# Allegro board ZC7020-PCB.brd (continued)
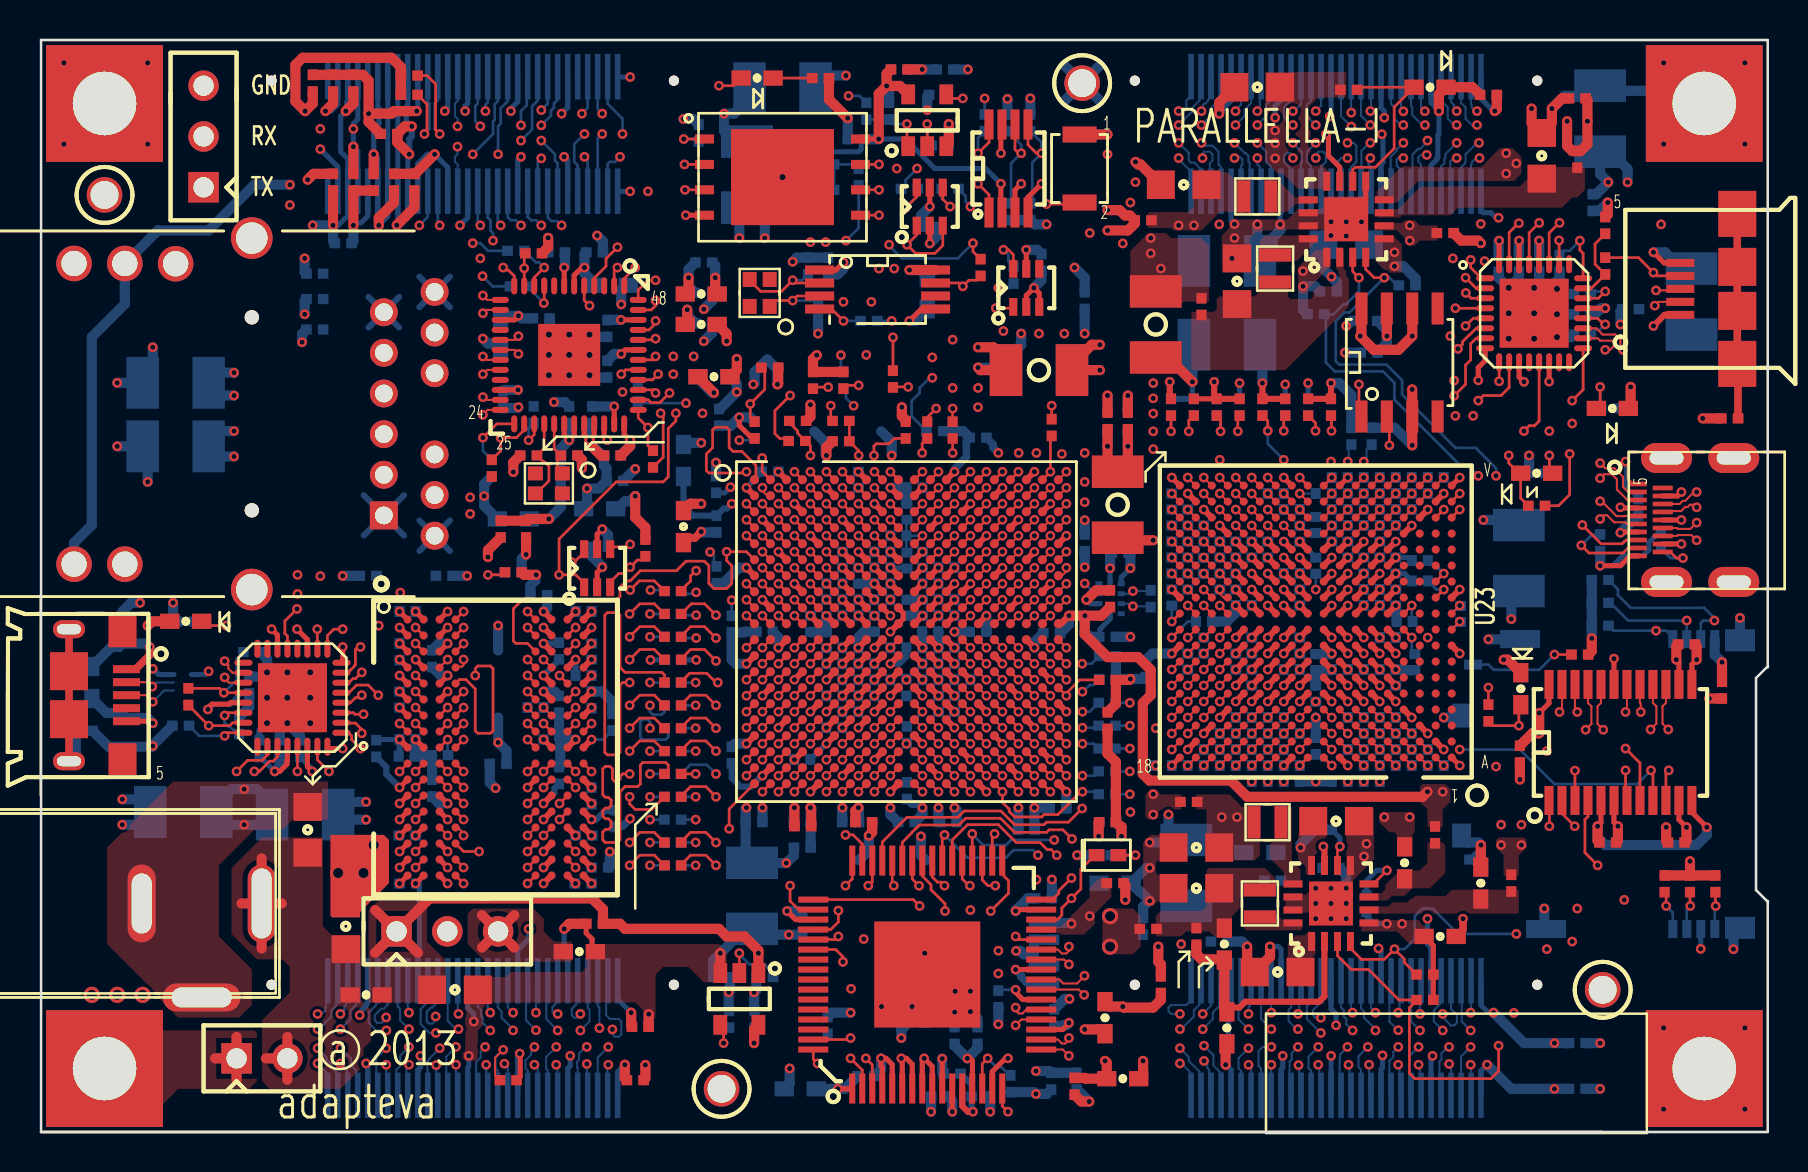
[diagram p0: board, top side]
## Routing (per net, layer and track width the routed paths; a pad name or vN(x,y) marks a point on that pad's centre or on a via; arc(x,y) is an arc through that point) (continued)
  BOTTOM w0.102: v1(70.86,51.05) 70.72,51.19 70.72,51.36 70.57,51.51 J9.8
RXI_SO_DATA3_P: length 25.5
  TOP w0.102: U23.R5 v1(67.81,30.33)
  L10_SIG w0.095: v1(67.81,30.33) 67.91,30.43 68.1,30.43 68.39,30.72 68.75,30.72 69,30.97 69,31.27 69.26,31.54 69.57,31.54 69.8,31.77 69.8,33.54 70.16,33.9 70.16,39.63 70.15,39.64 70.15,39.96 70.16,39.97 70.16,50.16 70.41,50.42 70.79,50.42 v1(70.86,50.36)
  BOTTOM w0.102: J9.10 70.07,51.58 70.41,51.24 70.41,50.67 70.73,50.36 v1(70.86,50.36)
RXI_SO_DATA4_N: length 24.9
  TOP w0.102: U23.V5 v1(67.81,32.73)
  L3_SIG w0.095: v1(69.36,48.86) 69.44,48.95 69.78,48.95 69.9,48.82 69.9,46.66 69.09,45.85 69.09,44.2 68.46,43.56 68.46,42.72 67.94,42.2 67.94,39.03 68.21,38.76 68.87,38.76 68.96,38.66 68.96,38.28 68.87,38.19 68.21,38.19 67.94,37.91 67.94,36.34 68.21,36.07 68.92,36.07 69.01,35.97 69.01,35.59 68.92,35.5 68.21,35.5 67.94,35.22 67.94,33.82 68.25,33.51 68.25,32.92 68.22,32.89 68.22,32.45 68.1,32.33 67.94,32.33 67.82,32.45 67.82,32.72 v1(67.81,32.73)
  BOTTOM w0.102: J9.13 69.07,48.39 68.95,48.51 68.95,48.75 69.06,48.86 v1(69.36,48.86)
RXI_SO_DATA4_P: length 25.1
  TOP w0.102: U23.V4 v1(68.61,32.73)
  L3_SIG w0.095: v1(69.4,49.58) 69.73,49.25 69.9,49.25 70.21,48.95 70.21,46.53 69.4,45.72 69.4,44.07 68.76,43.43 68.76,42.6 68.24,42.08 68.24,39.16 68.34,39.06 68.99,39.06 69.27,38.79 69.27,38.16 68.99,37.88 68.34,37.88 68.24,37.79 68.24,36.47 68.34,36.37 69.05,36.37 69.32,36.1 69.32,35.47 69.05,35.19 68.34,35.19 68.24,35.1 68.24,33.95 68.56,33.64 68.56,32.75 68.58,32.73 v1(68.61,32.73)
  BOTTOM w0.102: J9.15 68.64,47.11 68.64,48.88 68.93,49.17 69.03,49.17 69.4,49.53 v1(69.4,49.58)
RXI_SO_DATA5_N: length 24.5
  TOP w0.102: U23.U6 v1(67.01,31.93)
  L10_SIG w0.095: v1(69.26,51.05) 69.24,51.05 68.58,50.39 68.58,47.63 68.96,47.24 68.96,44.32 68.25,43.61 68.25,40.8 67.88,40.43 67.88,36.25 68.19,35.95 68.84,35.95 68.94,35.85 68.94,35.47 68.84,35.37 68.15,35.37 67.88,35.1 67.88,33.89 67.69,33.71 67.69,33.17 67.4,32.87 67.4,32.32 v1(67.01,31.93)
  BOTTOM w0.102: J9.14 69.07,51.12 69.14,51.05 69.26,51.05 v1(69.26,51.05)
RXI_SO_DATA5_P: length 24.8
  TOP w0.102: U23.U5 v1(67.81,31.93)
  L10_SIG w0.095: v1(69.27,50.36) 69.01,50.36 68.89,50.23 68.89,47.75 69.27,47.37 69.27,44.2 68.56,43.49 68.56,40.68 68.19,40.31 68.19,36.38 68.31,36.25 68.97,36.25 69.24,35.98 69.24,35.34 68.97,35.07 68.28,35.07 68.19,34.97 68.19,33.72 68,33.53 68,33.22 68.2,33.02 68.2,32.05 68.07,31.93 v1(67.81,31.93)
  BOTTOM w0.102: J9.16 68.57,51.3 68.63,51.24 68.63,50.86 69.14,50.36 v1(69.27,50.36)
RXI_SO_DATA6_N: length 25.4
  TOP w0.102: U23.T7 v1(66.21,31.13)
  L8_SIG w0.095: v1(66.21,31.13) 66.21,30.83 66.09,30.71 65.92,30.71 65.8,30.83 65.8,33.76 66.04,34 66.04,36.58 66.47,37.01 66.47,45.09 66.6,45.21 66.6,45.97 66.47,46.1 66.22,46.1 65.92,46.41 65.92,47.62 66.22,47.93 68.27,47.93 68.64,48.29 68.64,48.9 68.51,49.02 68.32,49.02 68.19,48.9 v1(68.19,48.7)
  BOTTOM w0.102: J9.17 68.07,48.11 67.92,48.27 67.86,48.33 67.86,48.64 67.99,48.77 68.13,48.77 v1(68.19,48.7)
RXI_SO_DATA6_P: length 25.4
  TOP w0.102: U23.T6 v1(67.01,31.13)
  L8_SIG w0.095: v1(68.19,49.47) 68.33,49.33 68.64,49.33 68.94,49.02 68.94,48.17 68.4,47.62 66.35,47.62 66.22,47.5 66.22,46.53 66.35,46.41 66.6,46.41 66.91,46.1 66.91,45.09 66.78,44.96 66.78,36.88 66.35,36.45 66.35,34.03 66.6,33.78 66.6,33.52 66.6,33.52 66.6,31.53 v1(67.01,31.13)
  BOTTOM w0.102: J9.19 67.57,48.11 67.55,48.13 67.55,48.77 67.86,49.07 67.86,49.14 v1(68.19,49.47)
RXI_SO_DATA7_N: length 24.3
  TOP w0.102: U23.R8 v1(65.41,30.33)
  L10_SIG w0.095: v1(68.19,51.04) 67.8,50.65 67.8,50.4 67.56,50.16 67.56,49.82 67.49,49.75 67.49,44.96 66.42,43.89 66.42,34.91 66.04,34.53 66.04,34.04 65.82,33.81 65.82,30.64 65.51,30.33 v1(65.41,30.33)
  BOTTOM w0.102: J9.18 68.07,51.16 v1(68.19,51.04)
RXI_SO_DATA7_P: length 24.4
  TOP w0.102: U23.R7 v1(66.21,30.33)
  L10_SIG w0.095: v1(68.19,50.36) 67.87,50.03 67.87,49.7 67.8,49.63 67.8,44.83 66.73,43.76 66.73,34.79 66.35,34.4 66.35,34.09 66.6,33.83 66.6,30.72 v1(66.21,30.33)
  BOTTOM w0.102: v1(68.19,50.36) 68.06,50.36 67.74,50.67 67.74,51.24 67.69,51.29 67.57,51.41 J9.20
RXI_SO_FRAME_N: length 25.4
  TOP w0.102: U23.U8 v1(65.41,31.93)
  L3_SIG w0.095: v1(66.54,51.05) 66.04,50.56 66.04,49.95 65.79,49.7 65.79,46.53 66.14,46.18 66.6,46.18 66.68,46.1 66.68,45.34 66.14,44.81 66.14,44.09 66.02,43.96 65.48,43.96 65.2,43.69 65.2,41.3 64.57,40.66 64.57,38.28 65.27,37.58 65.27,34.67 65.75,34.2 65.75,33.87 v1(65.41,33.53) 65.02,33.14 65.02,32.32 v1(65.41,31.93)
  BOTTOM w0.102: J9.24 66.57,51.09 v1(66.54,51.05) ; v1(65.41,33.53) 65.46,33.58 65.46,34.25 R247.2
RXI_SO_FRAME_P: length 25.5
  TOP w0.102: U23.U7 v1(66.21,31.93)
  L3_SIG w0.095: v1(66.21,31.93) 65.8,32.34 65.8,33.12 v1(66.21,33.53) 66.21,34.17 65.58,34.8 65.58,37.7 64.87,38.4 64.87,40.54 65.51,41.17 65.51,43.56 65.6,43.66 66.14,43.66 66.45,43.96 66.45,44.68 66.98,45.21 66.98,46.23 66.73,46.48 66.27,46.48 66.09,46.66 66.09,49.57 66.35,49.83 66.35,50.16 v1(66.54,50.36)
  BOTTOM w0.102: v1(66.21,33.53) 66.35,33.67 66.35,34.12 R246.2 ; J9.26 66.07,50.82 v1(66.54,50.36)
RXI_SO_LCLK_N: length 24.6
  TOP w0.102: U23.V7 v1(66.21,32.73)
  L3_SIG w0.095: v1(66.54,48.7) 66.66,48.83 66.92,48.83 67.05,48.7 67.05,47.91 67.32,47.64 68.76,47.64 68.89,47.51 68.89,47.19 68.76,47.07 68,47.07 67.69,46.76 67.69,45.08 67.05,44.44 67.05,43.62 66.48,43.06 66.48,42.02 66.76,41.75 66.99,41.75 67.08,41.65 67.08,41.27 66.99,41.18 66.76,41.18 66.48,40.9 66.48,39.05 66.76,38.78 66.96,38.78 67.06,38.68 67.06,38.3 66.96,38.21 66.76,38.21 66.48,37.93 66.48,34.38 66.68,34.18 66.68,32.95 66.62,32.89 66.62,32.44 66.49,32.31 66.33,32.31 66.21,32.44 v1(66.21,32.73)
  BOTTOM w0.102: J9.23 66.57,48.26 66.45,48.39 66.45,48.61 v1(66.54,48.7)
RXI_SO_LCLK_P: length 25
  TOP w0.102: U23.V6 v1(67.01,32.73)
  L3_SIG w0.095: v1(66.54,49.47) 66.87,49.14 67.05,49.14 67.35,48.83 67.35,48.04 67.45,47.94 68.89,47.94 69.19,47.64 69.19,47.07 68.89,46.76 68.13,46.76 68,46.63 68,44.96 67.35,44.31 67.35,43.5 66.79,42.94 66.79,42.15 66.88,42.05 67.11,42.05 67.39,41.78 67.39,41.14 67.11,40.87 66.88,40.87 66.79,40.78 66.79,39.18 66.88,39.08 67.09,39.08 67.36,38.81 67.36,38.17 67.09,37.9 66.88,37.9 66.79,37.81 66.79,34.5 66.98,34.31 66.98,32.75 v1(67.01,32.73)
  BOTTOM w0.102: v1(66.54,49.47) 66.49,49.47 66.09,49.07 66.09,48.31 66.07,48.29 J9.25
RXO_EA_RD_WAIT: length 7.3
  TOP w0.133: U2.J15 v1(47.34,26.62)
  L8_SIG w0.108: v1(52.25,27.43) 51.84,27.02 49.58,27.02 49.34,26.78 49.34,26.46 49.1,26.22 47.74,26.22 47.35,26.62 v1(47.34,26.62)
  BOTTOM w0.133: v1(52.25,27.43) 52.71,26.97 52.91,26.97 U38.8
RXO_EA_RD_WAIT_N: length 5.9
  TOP w0.102: U23.J17 v1(57.41,24.73)
  L3_SIG w0.095: v1(57.41,24.73) 57.41,25.45 57.25,25.61 57.08,25.61 56.7,25.98 55.55,25.98 55.3,26.24 55.04,26.24 54.99,26.29 v1(54.66,26.29)
  BOTTOM w0.102: U38.3 54.53,26.42 v1(54.66,26.29) 55.51,26.29 R193.2
RXO_EA_RD_WAIT_P: length 5.9
  TOP w0.102: U23.K17 v1(57.41,26.33)
  L3_SIG w0.095: v1(57.41,26.33) 57.58,26.15 57.58,26.04 57.46,25.91 57.21,25.91 56.83,26.29 55.68,26.29 55.43,26.54 55.17,26.54 v1(54.66,27.05)
  BOTTOM w0.102: R193.1 55.51,27.05 v1(54.66,27.05) 54.53,26.92 U38.2
RXO_EA_WR_WAIT_N: length 12.4
  TOP w0.102: U2.H18 v1(49.74,27.42) ; U23.K16 v1(58.21,26.33)
  L10_SIG w0.095: v1(49.74,27.42) 49.74,27.16 49.86,27.04 50.03,27.04 50.14,27.16 50.14,27.65 50.32,27.82 52.63,27.82 53.01,27.44 54.91,27.44 55.14,27.21 56,27.21 56.14,27.08 56.14,26.86 56.26,26.74 58.48,26.74 58.62,26.6 58.62,26.3 58.47,26.16 58.37,26.16 v1(58.21,26.33)
RXO_EA_WR_WAIT_P: length 12.5
  TOP w0.102: U23.L16 v1(58.21,27.13) ; U2.J18 v1(49.74,26.62)
  L10_SIG w0.095: v1(49.74,26.62) 49.34,27.01 49.34,27.58 49.57,27.81 49.88,27.81 50.14,28.08 50.14,28.38 50.39,28.63 51.5,28.63 51.5,28.64 52.53,28.64 52.8,28.37 52.8,28.08 53.14,27.75 55.04,27.75 55.27,27.52 57.82,27.52 v1(58.21,27.13)
RXO_NO_RD_WAIT_N: length 23.3
  TOP w0.102: U23.B9 v1(64.61,19.13)
  L3_SIG w0.095: v1(64.61,19.13) 64.24,19.13 63.96,18.85 63.96,18.41 64.7,17.68 64.7,15.37 64.82,15.24 65.25,15.24 65.76,14.73 65.76,13.84 64.82,12.9 63.68,12.9 63.35,12.57 63.35,10.16 64.87,8.64 64.87,6.93 65.08,6.73 66.02,6.73 66.34,6.4 66.34,4.79 65.84,4.29 65.84,3.62 65.58,3.36 v1(65.45,3.36)
  BOTTOM w0.102: J8.27 65.5,1.91 65.5,3.31 v1(65.45,3.36)
RXO_NO_RD_WAIT_P: length 23.3
  TOP w0.102: U23.B10 v1(63.01,19.13)
  L3_SIG w0.095: v1(63.01,19.13) 63.39,19.13 63.65,18.86 63.65,18.29 64.39,17.55 64.39,15.24 64.7,14.94 65.13,14.94 65.46,14.61 65.46,13.97 64.7,13.21 63.55,13.21 63.05,12.7 63.05,10.03 64.57,8.51 64.57,6.81 64.95,6.43 65.89,6.43 66.04,6.28 66.04,4.92 65.39,4.27 v1(65.39,4.25)
  BOTTOM w0.102: v1(65.39,4.25) 65.02,3.88 65.02,3.63 65,3.61 65,3.23 65,3.23 65,1.91 J8.29
RXO_NO_WR_WAIT_N: length 22.2
  TOP w0.102: U23.C8 v1(65.41,19.93)
  L5_SIG w0.095: v1(65.41,19.93) 65.41,20.2 65.29,20.32 65.12,20.32 65,20.2 65,18.03 64.87,17.91 64.63,17.91 64.5,17.78 64.5,15.36 64.62,15.24 65.45,15.24 65.83,14.86 65.83,12.87 66.12,12.57 66.12,10.13 65.76,9.78 64.85,9.78 64.65,9.58 64.65,8.89 64.8,8.74 65.23,8.74 65.53,8.43 65.53,7.8 65.23,7.49 64.85,7.49 64.7,7.34 64.7,6.34 64.81,6.22 65.07,6.22 65.33,6.48 65.52,6.48 65.65,6.35 v1(65.65,5.97)
  BOTTOM w0.102: v1(65.65,5.97) 65.65,6.03 65.57,6.11 65.57,7.56 J8.28
RXO_NO_WR_WAIT_P: length 22.6
  TOP w0.102: U23.C9 v1(64.61,19.93)
  L5_SIG w0.095: v1(65.65,5.08) 65.33,5.4 65.33,5.73 65.15,5.92 64.69,5.92 64.39,6.21 64.39,7.47 64.72,7.8 65.1,7.8 65.23,7.92 65.23,8.31 65.1,8.43 64.67,8.43 64.34,8.76 64.34,9.7 64.72,10.08 65.64,10.08 65.81,10.26 65.81,12.45 65.52,12.74 65.52,14.73 65.32,14.93 64.49,14.93 64.2,15.23 64.2,19.52 v1(64.61,19.93)
  BOTTOM w0.102: J8.30 65.07,6.23 65.2,6.1 65.2,5.78 65.33,5.66 65.33,5.4 v1(65.65,5.08)
RXO_SO_RD_WAIT_N: length 24.2
  TOP w0.102: U23.U10 v1(63.01,31.93)
  L3_SIG w0.095: v1(63.01,31.93) 63.01,32.02 63.43,32.44 63.43,33.03 63.06,33.4 63.06,35.52 63.82,36.28 63.82,38.04 63.3,38.56 63.3,39.62 63.82,40.14 63.82,43.04 63.55,43.31 63.55,45.96 64.3,46.71 64.3,49.01 64.57,49.28 65.27,49.28 65.39,49.4 v1(65.39,49.47)
  BOTTOM w0.102: R234.2 v1(63.01,31.93) ; v1(65.39,49.47) 65.7,49.47 65.84,49.33 65.84,48.52 65.57,48.25 J9.27
RXO_SO_RD_WAIT_P: length 23.8
  TOP w0.102: U23.U9 v1(64.61,31.93)
  L3_SIG w0.095: v1(64.61,31.93) 64.61,31.79 64.32,31.5 63.68,31.5 63.49,31.69 63.49,32.07 63.81,32.39 63.81,33.4 63.36,33.85 63.36,35.4 64.12,36.15 64.12,38.17 63.6,38.68 63.6,39.5 64.12,40.01 64.12,43.17 63.86,43.43 63.86,45.83 64.6,46.58 64.6,48.88 64.7,48.97 65.24,48.97 65.39,48.82 v1(65.39,48.7)
  BOTTOM w0.102: v1(65.39,48.7) 65.07,48.7 64.95,48.58 64.95,48.39 65.07,48.26 J9.29
RXO_SO_WR_WAIT_N: length 24.7
  TOP w0.102: U23.T9 v1(64.61,31.13)
  L10_SIG w0.095: v1(65.59,50.98) 65.59,50.85 64.95,50.22 64.95,50.15 64.71,49.91 64.71,49.74 64.7,49.73 64.7,47.04 63.81,46.15 63.81,44.45 65.2,43.05 65.2,41.57 64.51,40.87 64.51,38.55 65.2,37.85 65.2,35.09 64.52,34.4 64.52,34.17 64.18,33.83 64.18,33.69 64.18,33.69 64.18,33.37 64.18,33.36 64.18,31.55 v1(64.61,31.13)
  BOTTOM w0.102: v1(65.59,50.98) 65.57,50.99 J9.28
RXO_SO_WR_WAIT_P: length 24.8
  TOP w0.102: U23.T8 v1(65.41,31.13)
  L10_SIG w0.095: v1(65.59,50.28) 65.52,50.28 65.27,50.03 65.25,50.03 65.01,49.78 65.01,49.61 65,49.6 65,46.92 64.11,46.02 64.11,44.58 65.51,43.18 65.51,41.44 64.81,40.74 64.81,38.67 65.51,37.97 65.51,34.96 64.82,34.28 64.82,33.96 65.02,33.77 65.02,31.52 v1(65.41,31.13)
  BOTTOM w0.102: v1(65.59,50.28) 65.07,50.79 J9.30
SD_CLK: length 59.7
  TOP w0.133: v1(44.82,36.18) 44.38,35.74 R32.2 ; R33.1 83.8,11.44 83.81,11.43 v1(83.81,11.3)
  L3_SIG w0.108: v1(69.41,24.73) 69.43,24.73 70.79,23.37 72.19,23.37 73.33,22.23 73.33,18.78 v1(72.82,18.28)
  L8_SIG w0.108: v1(72.82,18.28) 72.85,18.25 72.85,17.81 73.9,16.75 75.05,16.75 76,15.8 76,14.02 77.27,12.75 82.36,12.75 v1(83.81,11.3)
  L10_SIG w0.108: v1(44.82,36.18) 45.22,35.79 45.95,35.79 46.28,36.12 46.28,36.31 46.66,36.69 47.72,36.69 47.93,36.9 50.91,36.9 51.11,36.7 51.11,36.2 52,35.31 54.16,35.31 55.17,34.29 55.17,33.6 56.45,32.32 56.77,32.32 57.01,32.09 57.01,31.76 57.25,31.52 57.57,31.52 57.81,31.29 57.81,30.96 58.05,30.72 58.37,30.72 58.61,30.49 58.61,30.16 58.85,29.92 59.17,29.92 59.4,29.69 59.4,29.36 59.64,29.12 59.97,29.12 60.2,28.89 60.2,28.56 60.44,28.32 60.77,28.32 61,28.09 61,27.76 61.24,27.52 61.57,27.52 61.8,27.29 61.8,26.96 62.04,26.72 62.37,26.72 62.6,26.49 62.6,26.02 62.98,25.64 68.49,25.64 v1(69.41,24.73)
  BOTTOM w0.133: J3.5 83.76,11.26 v1(83.81,11.3)
SD_CMD: length 69.4
  TOP w0.133: U2.C6 v1(39.33,31.42)
  L5_SIG w0.108: v1(54.54,16) 53.77,16.76 53.77,19.94 52.53,21.18 52.53,21.18 52.3,21.42 50.38,21.42 50.14,21.65 50.14,21.98 49.89,22.22 49.57,22.22 49.34,22.45 49.34,22.78 49.09,23.02 48.77,23.02 48.54,23.25 48.54,23.58 48.3,23.82 47.98,23.82 47.74,24.05 47.74,24.38 46.69,25.42 46.37,25.42 46.14,25.66 46.14,25.98 45.9,26.22 45.58,26.22 45.34,26.46 45.34,26.78 45.1,27.02 44.78,27.02 44.54,27.26 44.54,27.58 44.3,27.82 43.98,27.82 43.74,28.06 43.74,28.32 43.23,28.83 43.23,30.86 43.07,31.02 39.97,31.02 39.57,31.42 v1(39.33,31.42)
  L8_SIG w0.108: v1(75.36,19.05) 77.78,19.05 79.17,20.45 80.19,20.45 82.35,22.61 82.35,24.18 v1(83.75,25.58)
  L10_SIG w0.108: v1(75.36,19.05) 75.36,18.67 75.05,18.35 73.76,18.35 73.1,17.69 72.35,17.69 70.79,16.13 68.71,16.13 68.58,16.26 66.22,16.26 65.97,16 60.25,16 59.87,16.38 54.92,16.38 v1(54.54,16)
  BOTTOM w0.133: R39.1 78.92,27.14 78.92,26.85 79.56,26.21 83.24,26.21 83.75,25.7 v1(83.75,25.58) 83.19,25.58 83.06,25.45 J3.3
SD_DAT0: length 75.3
  TOP w0.133: R37.1 82.53,11.38 82.54,11.37 v1(82.54,11.3) ; U2.E9 v1(41.73,29.82)
  L5_SIG w0.108: v1(41.73,29.82) 42.14,29.42 42.14,28.06 42.14,28.02 42.34,27.82 42.7,27.82 42.93,27.58 42.93,27.1 43.81,26.22 44.3,26.22 44.53,25.98 44.53,25.5 44.88,25.15 44.88,24.89 45.34,24.44 45.34,24.05 45.57,23.82 45.9,23.82 46.14,23.58 46.14,23.25 46.37,23.02 46.7,23.02 46.94,22.78 46.94,22.45 47.17,22.22 49.09,22.22 49.33,21.98 49.33,21.66 49.57,21.42 49.89,21.42 50.13,21.18 50.13,20.86 50.38,20.62 52.39,20.62 53.39,19.61 53.39,11.81 52.95,11.37 52.95,4.76 53.9,3.81 53.9,2.92 54.51,2.31 74.12,2.31 75.24,3.43 75.24,4.83 75.87,5.46 75.87,8.64 v1(75.36,9.14)
  L8_SIG w0.108: v1(82.54,11.3) 81.73,12.12 80.25,12.12 79.87,11.73 79.87,11.48 79.49,11.1 77.32,11.1 77.29,11.07 77.29,11.01 77.05,10.78 77,10.78 v1(75.36,9.14)
  BOTTOM w0.133: J3.7 82.36,11.13 v1(82.54,11.3)
SD_DAT1: length 74.9
  TOP w0.133: U2.E8 v1(40.93,29.82) ; v1(81.33,11.3) 81.33,11.91 R36.1
  L5_SIG w0.108: v1(76.63,9.53) 76.25,9.14 76.25,3.81 74.45,2.01 54.18,2.01 52.65,3.54 52.65,9.25 52,9.91 52,10.92 52.63,11.56 52.63,12.7 52.89,12.95 52.89,14.1 52.5,14.48 52.5,15.37 53.01,15.88 53.01,19.18 52.37,19.82 50.38,19.82 50.13,20.06 50.13,20.38 49.89,20.62 49.57,20.62 49.33,20.86 49.33,21.18 49.09,21.42 47.17,21.42 46.93,21.66 46.93,21.99 46.7,22.22 46.37,22.22 46.14,22.45 46.14,22.78 45.9,23.02 45.57,23.02 45.34,23.25 45.34,23.58 45.1,23.82 44.77,23.82 44.54,24.05 44.54,24.48 43.74,25.27 43.74,25.65 42.93,26.46 42.93,26.78 42.69,27.02 41.57,27.02 41.34,27.26 41.34,29.42 v1(40.93,29.82)
  L8_SIG w0.108: v1(76.63,9.53) 77.76,10.66 80.69,10.66 v1(81.33,11.3)
  BOTTOM w0.133: J3.8 81.66,10.97 v1(81.33,11.3)
SD_DAT2: length 50.4
  TOP w0.133: U2.C5 v1(38.53,31.42)
  L8_SIG w0.108: v1(80.83,25.07) 78.59,27.3 77.65,27.3 75.82,29.13 60.44,29.13 60.2,29.37 60.2,29.69 59.97,29.92 56.18,29.92 55.04,31.06 52.69,31.06 v1(52.25,31.5)
  L10_SIG w0.108: v1(38.53,31.42) 38.94,31.82 42.87,31.82 43.67,32.62 47.49,32.62 47.74,32.38 47.74,32.06 47.98,31.82 51.93,31.82 v1(52.25,31.5)
  BOTTOM w0.133: R35.1 78.7,25.07 v1(80.83,25.07) 81.33,25.07 81.66,24.74 J3.1
SD_DAT3: length 54.7
  TOP w0.133: U2.C8 v1(40.93,31.42)
  L3_SIG w0.108: v1(52.25,32.51) 52,32.26 52,32.13 51.68,31.82 48.77,31.82 48.54,31.58 48.54,31.26 48.3,31.02 47.98,31.02 47.74,30.78 47.74,30.46 47.5,30.22 47.18,30.22 46.94,29.98 46.94,28.86 46.7,28.62 46.37,28.62 46.37,28.63 45.9,28.63 45.9,28.62 44.77,28.62 44.54,28.86 44.54,29.18 44.3,29.42 43.71,29.42 42.91,30.22 41.57,30.22 41.34,30.46 41.34,31.02 v1(40.93,31.42)
  L8_SIG w0.108: v1(52.25,32.51) 53.27,31.5 55.54,31.5 56.31,30.72 59.97,30.72 60.2,30.49 60.2,30.17 60.44,29.93 75.53,29.93 77.78,27.69 79.1,27.69 81.21,25.58 v1(82.36,25.58)
  BOTTOM w0.133: J3.2 v1(82.36,25.58) 79.43,25.58 78.54,26.47 R34.1
SD_DETECT: length 93.4
  TOP w0.133: R38.1 v1(75.75,23.88) ; U2.E6 v1(39.33,29.82)
  L5_SIG w0.108: v1(39.33,29.82) 39.53,29.63 39.53,29.57 39.74,29.36 39.74,28.06 39.98,27.82 40.3,27.82 41.34,26.78 41.34,26.46 41.58,26.22 42.72,26.22 43.3,25.64 43.3,24.5 43.98,23.82 44.3,23.82 44.54,23.58 44.54,23.25 44.78,23.02 45.1,23.02 45.34,22.78 45.34,22.45 45.58,22.22 45.9,22.22 46.14,21.98 46.14,21.65 46.38,21.42 46.7,21.42 46.94,21.18 46.94,20.85 47.18,20.62 49.1,20.62 49.34,20.38 49.34,19.25 49.57,19.02 51.57,19.02 52.63,17.96 52.63,16 52.12,15.49 52.12,14.35 52.38,14.1 52.38,13.02 52.06,12.7 52.06,11.35 51.81,11.1 51.49,11.1 50.98,10.59 50.98,7.62 50.41,7.05 50.41,4.18 51.43,3.16 52.38,3.16 53.83,1.7 76.18,1.7 77.02,2.54 77.02,7.48 77.14,7.61 77.14,9.78 76.38,10.54 76.38,12.06 77.4,13.08 77.4,18.67 77.78,19.05 77.78,20.7 76.25,22.23 76.25,23.37 v1(75.75,23.88)
  BOTTOM w0.133: v1(75.75,23.88) 74.98,23.11 72.7,23.11 72.44,23.37 J3.10
SPDIF: length 120
  TOP w0.133: U26.3 41.63,3.36 v1(41.3,3.68)
  L3_SIG w0.108: v1(22.66,44.58) 22.66,42.67 22.28,42.29 21.14,42.29 20.37,43.05 17.83,43.05 15.67,40.89 15.67,32.26 11.99,28.57 11.99,26.29 9.83,24.13 9.83,19.56 3.61,13.34 3.61,9.91 5.39,8.13 9.71,8.13 10.47,7.37 10.47,5.97 11.1,5.33 11.1,2.54 11.48,2.16 32.18,2.16 33.23,3.2 36.35,3.2 36.88,2.67 40.29,2.67 v1(41.3,3.68)
  L8_SIG w0.108: v1(41.3,3.68) 41.81,4.19 49.02,4.19 51.09,6.26 51.09,6.82 51.11,6.84 51.11,6.91 51.56,7.37 52.48,7.37 54.73,9.61 54.73,11.99 54.16,12.56 54.16,14.1 54.58,14.52 54.58,15.06 55.04,15.52 55.04,16.36 v1(54.51,16.89)
  BOTTOM w0.133: J13.27 22.39,45.73 22.53,45.59 22.53,45.09 22.66,44.96 v1(22.66,44.58) ; R82.2 v1(54.51,16.89)
SYS_5P0V: length 22.9
  TOP w0.254: U37.11 81.97,15.62 v1(82.35,15.24) ; R276.2 R280.2 69.69,9.32 C254.1 ; U12.21 v1(78.29,41.19)
  TOP w0.508: U13.7 v1(67.36,39.8) ; v1(82.35,15.24) 82.35,14.57 C258.1
  L10_SIG w0.508: 19.67,10.73 J14.2 ; J14.2 19.67,9.33 ; J14.2 21.07,10.73 ; J14.2 21.07,9.33
  BOTTOM w0.254: R283.2 66.35,10.79 66.73,10.41 v1(67.36,10.41) ; v1(29.52,47.04) 28.9,47.04 J13.1 ; v1(29.52,52.76) 28.91,52.76 J13.2
  BOTTOM w0.508: R285.1 68.8,42.68 68.19,43.29 v1(67.74,43.29) ; v1(63.05,14.22) 63.05,14.39 R277.2 ; v1(78.29,41.19) 78.08,41.19 77.78,40.89 C59.1 ; R284.1 63.17,41.11 v1(63.17,42.29) 63.77,42.29 C274.1 ; C52.1 67.36,39.45 v1(67.36,39.8) 67.36,40.09 C279.1
  vias: v1(61.78,50.09) v1(61.78,49.45) v1(61.78,48.69) v1(62.92,9.19) v1(63.17,43.05) v1(67.74,43.99) v1(68.13,10.41) v1(73.33,48.95) v1(73.33,47.93) v1(73.84,48.44) v2(2.59,6.86) v2(3.86,6.86) v2(5.13,6.86)
TURBO_MODE: length 93.3
  TOP w0.133: U36.4 34.19,5.19 v1(34.19,4.45) ; U2.R16 v1(48.14,21.02)
  L3_SIG w0.108: v1(40.19,41.52) 40.76,40.94 40.76,40.26 41.96,39.05 41.96,34.8 42.11,34.65 42.11,33.67 41.87,33.44 41.57,33.44 41.34,33.2 41.34,32.86 41.1,32.62 40.78,32.62 40.54,32.38 40.54,32.06 40.3,31.82 39.98,31.82 39.74,31.58 39.74,29.66 39.97,29.42 41.89,29.42 42.13,29.18 42.13,28.86 42.37,28.62 42.69,28.62 43.52,27.79 43.52,25.87 44.77,24.62 45.1,24.62 45.33,24.38 45.33,24.05 45.57,23.82 45.9,23.82 46.13,23.58 46.13,23.25 46.37,23.02 46.7,23.02 46.93,22.78 46.93,22.45 47.17,22.22 47.5,22.22 47.73,21.98 47.73,21.42 v1(48.14,21.02)
  L5_SIG w0.108: v1(23.04,45.34) 23.55,45.85 26.71,45.85 27.29,45.26 30.66,45.26 31.6,44.32 33.07,44.32 34.34,43.05 38.65,43.05 v1(40.19,41.52)
  L10_SIG w0.108: v1(34.19,4.45) 34.77,3.86 36.63,3.86 39.42,6.65 41.2,6.65 42.22,7.67 46.92,7.67 47.3,7.29 48.06,7.29 48.44,7.67 49.33,7.67 50.35,8.69 50.35,10.21 51.11,10.97 51.62,10.97 52.25,11.61 52.25,11.94 54.54,14.22 54.54,14.99 54.03,15.49 54.03,20.62 53.77,20.88 53.72,20.88 53.52,21.08 53.52,21.46 53.14,21.84 53.14,22.15 52.27,23.02 50.37,23.02 50.13,22.78 50.13,22.45 49.9,22.22 49.84,22.22 49.84,22.22 48.77,22.22 48.54,21.98 48.54,21.42 v1(48.14,21.02)
  BOTTOM w0.133: R328.2 34.19,4.94 v1(34.19,4.45) ; J13.25 22.89,45.49 v1(23.04,45.34)
TXI_EA_RD_WAIT_N: length 15.1
  TOP w0.102: U23.G17 v1(57.41,23.13) ; U2.J14 v1(46.54,26.62)
  L3_SIG w0.095: v1(57.41,23.13) 57.7,23.13 57.84,23.26 57.84,23.37 57.67,23.54 56.86,23.54 56.84,23.52 56.39,23.52 56.22,23.7 56.22,23.86 54.74,25.34 54.14,25.34 53.72,25.76 53.72,26.16 53.22,26.67 53.01,26.67 52.57,26.23 46.93,26.23 v1(46.54,26.62)
TXI_EA_RD_WAIT_P: length 15.2
  TOP w0.102: U23.H17 v1(57.41,23.93) ; U2.K14 v1(46.54,25.82)
  L3_SIG w0.095: v1(46.54,25.82) 46.13,26.23 46.13,26.8 46.34,27.01 53.31,27.01 54.03,26.29 54.03,25.88 54.27,25.64 54.87,25.64 56.19,24.32 57.01,24.32 v1(57.41,23.93)
TXI_EA_WR_WAIT_N: length 13.4
  TOP w0.102: U2.J16 v1(48.14,26.62) ; U23.H16 v1(58.21,23.93)
  L5_SIG w0.095: v1(58.21,23.93) 57.82,24.32 55.55,24.32 54.51,25.36 48.04,25.36 47.74,25.66 47.74,26.23 v1(48.14,26.62)
TXI_EA_WR_WAIT_P: length 13.2
  TOP w0.102: U2.K16 v1(48.14,25.82) ; U23.J16 v1(58.21,24.73)
  L5_SIG w0.095: v1(58.21,24.73) 58.21,25.07 58.13,25.15 56.78,25.15 56.77,25.14 56.41,25.14 56.21,24.94 56.21,24.72 56.12,24.62 55.68,24.62 54.63,25.67 53.52,25.67 53.39,25.79 53.39,26.04 53.2,26.23 48.19,26.23 48.06,26.1 48.06,25.9 v1(48.14,25.82)
TXI_NO_RD_WAIT_N: length 24.7
  TOP w0.102: U23.B11 v1(62.21,19.13)
  L5_SIG w0.095: v1(62.92,5.91) 62.92,5.71 62.79,5.59 62.52,5.59 62.4,5.71 62.4,7.49 62.09,7.8 60.38,7.8 60.25,7.92 60.25,8.33 60.38,8.46 62.1,8.46 62.41,8.76 62.41,10.03 62.03,10.41 61.14,10.41 61.01,10.54 61.01,12.48 61.14,12.61 62.16,12.61 62.46,12.91 62.46,13.48 62.16,13.79 61.74,13.79 61.65,13.88 61.65,16.64 61.78,16.76 62.54,16.76 62.66,16.89 62.66,17.02 62.21,17.48 v1(62.21,17.53) 62.62,17.94 62.62,18.84 62.28,19.18 62.26,19.18 v1(62.21,19.13)
  BOTTOM w0.102: v1(62.92,5.91) 62.98,5.97 62.98,7.47 J8.38
TXI_NO_RD_WAIT_P: length 24.9
  TOP w0.102: U23.B12 v1(61.41,19.13)
  L5_SIG w0.095: v1(62.92,5.14) 62.54,5.14 62.09,5.59 62.09,7.37 61.97,7.49 60.25,7.49 59.95,7.8 59.95,8.46 60.25,8.76 61.98,8.76 62.11,8.89 62.11,9.91 61.9,10.11 61.01,10.11 60.71,10.41 60.71,12.61 61.01,12.91 62.03,12.91 62.16,13.04 62.16,13.36 62.03,13.48 61.62,13.48 61.34,13.76 61.34,17.46 v1(61.41,17.53) 61.82,17.94 61.82,18.76 61.44,19.13 v1(61.41,19.13)
  BOTTOM w0.102: J8.40 62.57,6.24 62.45,6.11 62.45,5.55 62.85,5.14 v1(62.92,5.14)
TXI_NO_WR_WAIT_N: length 22.6
  TOP w0.102: U23.C10 v1(63.01,19.93)
  L5_SIG w0.095: v1(63.01,19.93) 62.94,19.99 62.94,20.21 63.07,20.34 63.29,20.34 63.42,20.21 63.42,19.75 63.73,19.43 63.73,18.03 63.42,17.72 63.42,15.22 63.78,14.86 63.78,13.18 63.32,12.73 63.32,11.98 63.05,11.7 62.03,11.7 61.9,11.58 61.9,11.3 62.07,11.13 62.96,11.13 63.32,10.77 63.32,9.91 63.61,9.62 63.61,8.64 63.94,8.31 63.94,7.22 63.61,6.89 63.61,5.45 63.73,5.33 63.93,5.33 64.06,5.46 v1(64.06,5.71)
  BOTTOM w0.102: v1(64.06,5.71) 63.79,5.71 63.67,5.84 63.67,6.09 63.92,6.34 63.92,6.45 64.07,6.61 J8.34
TXI_NO_WR_WAIT_P: length 23.1
  TOP w0.102: U23.C11 v1(62.21,19.93)
  L5_SIG w0.095: v1(62.21,19.93) 62.6,19.54 63.19,19.54 63.43,19.3 63.43,18.16 63.11,17.85 63.11,15.1 63.48,14.73 63.48,13.31 63.02,12.85 63.02,12.1 62.92,12.01 61.9,12.01 61.6,11.7 61.6,11.18 61.95,10.83 62.84,10.83 63.02,10.64 63.02,9.78 63.31,9.49 63.31,8.51 63.64,8.18 63.64,7.35 63.31,7.02 63.31,5.32 63.68,4.95 v1(64.06,4.95)
  BOTTOM w0.102: v1(64.06,4.95) 63.36,5.65 63.36,6.29 63.57,6.5 J8.36
TXI_SO_RD_WAIT_N: length 24
  TOP w0.102: U23.U12 v1(61.41,31.93)
  L3_SIG w0.095: v1(62.66,51.05) 62.22,50.61 62.22,50.09 62.41,49.9 62.93,49.9 63.06,49.77 63.06,47.75 62.42,47.11 62.42,46.32 62.64,46.1 62.64,43.81 62.3,43.47 62.3,41.08 62.57,40.8 62.62,40.8 62.71,40.71 62.71,40.33 62.62,40.23 62.57,40.23 62.3,39.96 62.3,38.27 62.67,37.89 62.67,36.69 62.14,36.15 62.14,35.61 61.8,35.27 61.8,32.32 v1(61.41,31.93)
  BOTTOM w0.102: v1(62.66,51.05) 62.73,51.05 63.07,51.4 J9.38
TXI_SO_RD_WAIT_P: length 24.2
  TOP w0.102: v1(62.21,31.93) 62.23,31.93 62.61,31.55 U23.U11
  L3_SIG w0.095: v1(62.21,31.93) 62.21,32.05 62.6,32.45 62.6,35.33 62.45,35.48 62.45,36.03 62.98,36.56 62.98,38.01 62.6,38.39 62.6,39.83 62.7,39.93 62.75,39.93 63.02,40.2 63.02,40.83 62.75,41.11 62.7,41.11 62.6,41.2 62.6,43.35 62.94,43.69 62.94,46.23 62.72,46.45 62.72,46.99 63.36,47.63 63.36,50.42 63.24,50.55 62.79,50.55 62.66,50.42 v1(62.66,50.36)
  BOTTOM w0.102: J9.40 62.54,52.74 62.54,51.56 62.22,51.24 62.22,50.74 62.6,50.36 v1(62.66,50.36)
TXI_SO_WR_WAIT_N: length 25.4
  TOP w0.102: U23.T11 v1(62.21,31.13)
  L8_SIG w0.095: v1(63.81,51.05) 63.11,50.36 63.11,47.69 63.81,46.99 63.81,41.38 63.71,41.28 62.94,41.28 62.66,41.01 62.66,40.37 62.94,40.1 63.71,40.1 63.81,40.01 63.81,37.62 63.82,37.61 63.82,37.29 63.81,37.28 63.81,36.17 62.93,35.29 62.93,33.35 62.6,33.02 62.6,31.52 v1(62.21,31.13)
  BOTTOM w0.102: v1(63.81,51.05) 64.07,51.32 J9.34
